# Altium PCB LimePSB-RPCM_1v3.PcbDoc (part 9 of 10)
Units mm, origin at the board's own origin, x right, y up, seen from the top; angles counter-clockwise.
Board outline 170 x 110 mm, 6 copper layers (Top, L2, L3, L4, L5, Bottom), stack 1.583 mm thick; 946 components, 565 nets, 4035 pads, 1752 vias.
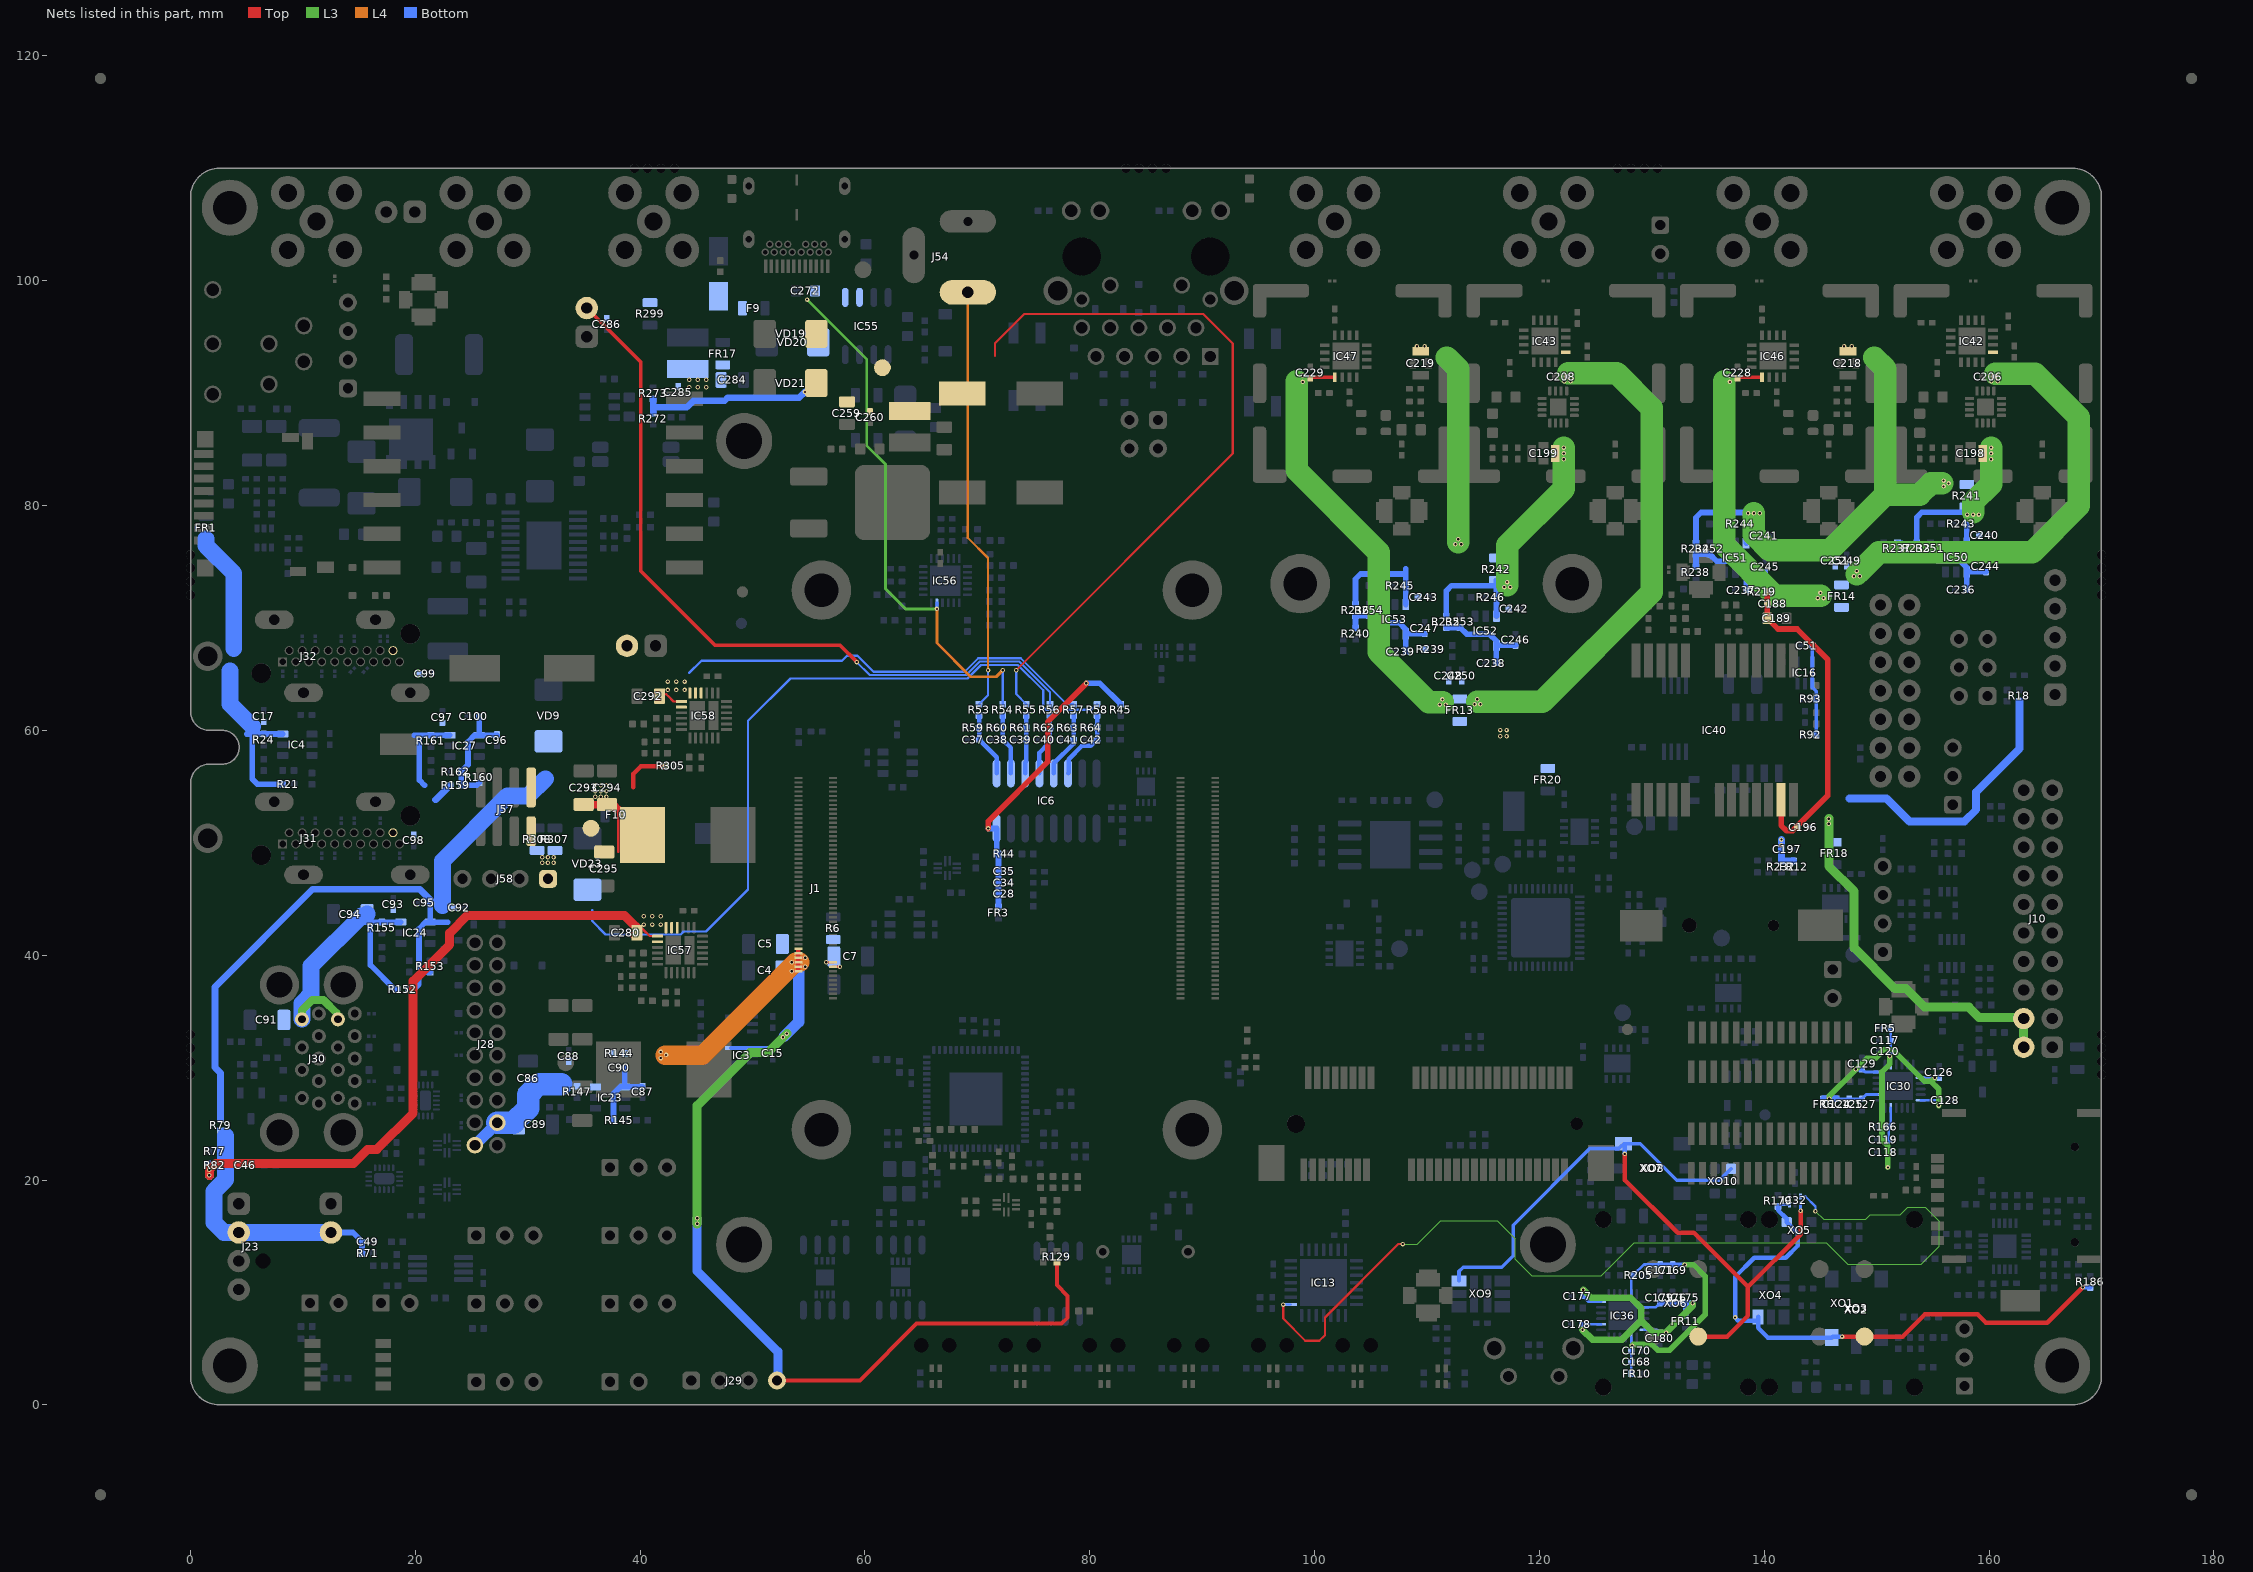
[diagram p13: the nets of this part, all layers, seen from the top]

## Via types
v1: diameter 0.4, hole 0.2, Top to Bottom, tented both sides, 1728 vias
v2: diameter 0.5, hole 0.2, Top to Bottom, tented both sides, 24 vias

## Nets (pads, with @x,y where several pads share a name; then routed paths per layer and width w, separated by ;. In a path a pad name is that pad's centre, name@x,y a point inside that pad or via, vN(x,y) a via of type N, cw(c..) or ccw(c..) an arc to the next point about the centre after c; other vN are vias at no path point) (continued)
VCC3P3_GNSS: C188.2 C189.2 C196.2 C197.1 FR12.2 IC40.23 R219.1 R232.2 | length 31.9
  Top w0.5: C189.2@140.275,69.975 R219.1@140.275,72.325 ; C189.2@140.525,69.725 141.225,69.025 142.925,69.025 145.65,66.3 145.65,54.2 142.525,51.075 141.975,51.075 141.5,51.55 IC40.23@141.5,53.825
  Bottom w0.6: v1(141.525,50.288) v1(141.525,49.775) C197.1@141.525,49.425 R232.2@141.525,48.375 FR12.2@142.625,48.375
VCC3P3_LMK10: C168.2 C169.2 C170.2 C171.2 FR10.2 IC36.8 IC36.23 R205.2 | length 23.7
  L3 w0.5: v1(128.239,5.274) 128.339,5.374 130.028,5.374 130.528,4.874 131.599,4.874 134.75,8.025 134.75,11.425 133.7,12.475 v1(132.925,12.475)
  Bottom w0.25: FR10.2@128.164,2.774 128.164,5.274 IC36.8@128.164,5.999 ; IC36.23@128.164,9.849 128.164,11.349 R205.2@128.339,11.524 129.29,12.475 C171.2@130.75,12.475
  Bottom w0.4: C171.2@130.75,12.475 C169.2@131.875,12.475 v1(132.925,12.475)
VCC3P3_LMK10_VDDO: C175.2 C176.2 C177.2 C178.2 C179.2 C180.2 FR11.2 IC36.2 IC36.6 IC36.14 IC36.18 | length 31.4
  L3 w0.6: v1(123.839,6.674) 124.714,5.8 127.35,5.8 129.05,7.5 ; v1(123.889,10.249) 124.613,9.525 128.125,9.525 129.05,8.6 129.05,7.5 ; v1(133.627,9.049) 133.627,8.787 v1(131.264,6.424) 130.126,6.424 129.05,7.5
  Bottom w0.25: C178.2@123.839,7.174 IC36.14@125.489,7.174 ; C177.2@123.889,9.674 124.389,9.174 IC36.18@125.489,9.174 ; IC36.6@129.339,6.674 130.443,6.674 130.518,6.599 C180.2@130.589,6.599 ; IC36.2@129.339,8.674 130.339,8.674 130.539,8.874 130.589,8.874 130.714,8.999 C179.2@130.714,9.049
  Bottom w0.4: v1(123.839,6.674) C178.2@123.839,7.174 ; C177.2@123.889,9.674 v1(123.889,10.249) ; C179.2@130.714,9.049 C176.2@131.839,9.049 C175.2@132.964,9.049 FR11.2@132.964,7.924 ; C180.2@130.789,6.424 v1(131.264,6.424)
  Bottom w0.6: C175.2@132.964,9.049 v1(133.627,9.049)
VCC3P3_LMKRF: C117.2 C118.2 C119.2 C120.2 FR5.2 IC30.8 IC30.23 R166.2 | length 19
  L3 w0.5: v1(151,21.125) 151,23.025 150.475,23.55 150.475,29.625 151.175,30.325 v1(151.175,31)
  Bottom w0.25: C118.2@151.075,22.45 C119.2@151.075,23.575 R166.2@151.075,24.75 151.25,24.925 IC30.23@151.25,26.425 ; IC30.8@151.25,30.275 151.25,31 C120.2@151.25,31.45 C117.2@151.25,32.45 FR5.2@151.25,33.5
  Bottom w0.4: v1(151,21.125) C118.2@151,22.45
VCC3P3_LMKRF_VDDO: C124.2 C125.2 C126.2 C127.2 C128.2 C129.2 FR6.2 IC30.2 IC30.6 IC30.14 IC30.18 | length 25.6
  L3 w0.5: v1(145.787,27.225) 145.787,27.487 v1(148.15,29.85) 149.124,30.824 149.874,30.824 150.65,31.6 151.425,31.6 154.25,28.775 154.849,28.775 ; v1(155.175,29.101) 154.849,28.775 ; v1(155.525,26.626) 155.525,28.099 154.849,28.775
  Bottom w0.25: C124.2@146.45,27.225 C125.2@147.575,27.225 C127.2@148.7,27.225 148.7,27.275 148.825,27.4 148.875,27.4 149.075,27.6 IC30.2@150.075,27.6 ; C129.2@148.825,29.675 148.896,29.675 148.971,29.6 IC30.6@150.075,29.6 ; IC30.18@153.925,27.1 C128.2@155.6,27.1 ; IC30.14@153.925,29.1 C126.2@155.575,29.1
  Bottom w0.4: v1(148.15,29.85) C129.2@148.625,29.85 ; v1(155.525,26.626) C128.2@155.525,27.1
  Bottom w0.6: FR6.2@145.275,27.225 145.862,27.225 C124.2@146.45,27.225
VCC3P3_RPI: C7.2 J1.84 J1.86 R6.1 | length 1.2
  Top w0.2: v1(56.555,39.375) J1.84@57.165,39.375 ; J1.86@57.165,38.975 v1(57.775,38.975)
VCC3P3_SD: C17.1 FR1.2 IC4.6 R21.1 R24.2 | length 26.3
  Bottom w0.5: 5.012,59.675 IC4.6@8.2,59.675 ; 5.485,59.373 5.485,55.673 5.945,55.213 R21.1@8.2,55.213
  Bottom w1.5: FR1.2@1.375,77.05 1.375,76.425 3.85,73.95 3.85,67.275 ; 3.5,65.275 3.5,62.35 5.5,60.35
VCC3P3A: C28.2 C34.2 C35.2 FR3.2 IC6.16 R44.2 R45.1 | length 28.2
  Top w0.5: v1(70.963,51.277) 70.963,51.913 76.25,57.2 76.25,60.75 v1(79.686,64.186)
  Bottom w0.5: v1(70.963,51.277) IC6.16@71.713,51.277 71.713,49.173 R44.2@71.876,49.01 C28.2@71.876,45.46 FR3.2@71.876,44.285 ; v1(79.686,64.186) 80.9,64.186 R45.1@82.751,62.335
VCC5P0: C4.2 C5.2 C15.1 C51.1 C87.1 C90.2 C92.1 C95.2 C96.1 C100.2 C293.2 C294.2 C295.2 FR13.1 FR14.1 FR18.1 FR20.1 IC3.1 IC3.5 IC16.1 IC16.5 IC23.1 IC24.1 IC27.1 J1.77 J1.79 J1.81 J1.83 J1.85 J1.87 J10.2 J10.4 J29.4 L11.2 R18.1 R79.1 R92.2 R93.2 R129.2 R144.2 R145.2 R152.2 R153.2 R159.2 R160.2 R162.1 R305.2 TP12.1 VD9.A | length 262.4
  Top w0.2: 38.05,49.175 38.05,52.95 ; v1(53.475,38.575) J1.87@54.085,38.575 ; v1(53.475,39.375) J1.83@54.085,39.375 ; J1.85@54.085,38.975 v1(54.695,38.975) ; J1.81@54.085,39.775 v1(54.695,39.775)
  Top w0.35: J29.4@52.173,1.938 52.398,2.163 59.538,2.163 64.6,7.225 77.5,7.225 78.025,7.75 78.025,9.7 77.075,10.65 R129.2@77.075,12.675
  Top w0.4: 39.4,54.95 39.4,56.15 40.073,56.823 42.209,56.823 R305.2@42.223,56.823 ; 54.085,38.675 J1.83@54.085,39.375 J1.81@54.085,39.775 54.085,40.45
  Top w0.7: C293.2@35.175,53.4 35.188,53.388 37.287,53.388 37.3,53.375 37.625,53.375 38.05,52.95 38.15,52.85 38.55,52.85 40.2,51.2 L11.2@40.2,50.7
  L3 w0.8: v1(45.075,16.1) v1(45.075,16.6) 45.075,26.625 49.775,31.325 51.35,31.325 v1(53.05,33.025) ; v1(145.75,52.15) v1(145.75,51.7) 145.75,47.925 148,45.675 148,40.65 151.625,37.025 152.625,37.025 154.275,35.375 158.2,35.375 159.125,34.45 162.99,34.45 J10.4@163.08,34.36 J10.2@163.08,31.82
  L4 w1.7: v1@42.2,31.1 45.55,31.1 53.825,39.375 54.2,39.375
  Bottom w0.3: C51.1@144.285,67.55 IC16.5@144.285,66.08 IC16.1@144.285,64.15 144.285,63.83 144.625,63.49 R93.2@144.625,62.8 R92.2@144.625,59.6
  Bottom w0.35: IC3.5@48.06,31.76 C15.1@51.8,31.76
  Bottom w0.5: R152.2@19.363,36.975 19.888,36.975 20.313,37.4 20.313,38.075 20.738,38.5 ; R153.2@21.313,38.5 20.738,38.5 ; IC24.1@21.313,42.95 C95.2@21.313,44.648 ; 22.898,42.948 21.313,42.948 20.913,42.948 20.913,42.939 20.323,42.349 20.323,38.915 20.738,38.5 ; R160.2@25.675,55.338 25.45,55.113 R159.2@24.075,55.113 R162.1@24.075,56.338 24.685,56.948 24.685,58.974 25.275,59.564 25.275,59.573 C96.1@27.26,59.573 ; IC27.1@25.675,59.575 C100.2@25.675,61.273 ; R145.2@37.625,25.329 37.625,27.676 38.225,28.276 38.225,28.285 C87.1@40.21,28.285 ; IC23.1@38.625,28.287 C90.2@38.625,29.985
  Bottom w0.6: R79.1@2.675,25.375 2.675,29.525 2.175,30.025 2.175,37.175 10.875,45.875 20.375,45.875 C95.2@21.375,44.875 ; C15.1@51.8,31.76 v1@52.8,32.76
  Bottom w0.7: 147.575,53.95 150.875,53.95 152.925,51.9 157.8,51.9 158.85,52.95 158.85,54.525 162.7,58.375 162.7,61.325 R18.1@162.7,62.6
  Bottom w0.8: v1(45.075,16.6) v1(45.075,16.1) 45.075,11.9 52.243,4.732 J29.4@52.243,2.232
  Bottom w1: v1@52.8,32.76 54.1,34.06 54.1,38.525
  Bottom w1.5: 22.4,44.4 22.4,48.375 28.175,54.15 30.025,54.15 31.575,55.7
  other v1: 41.825,30.85 42.3,31.125 41.825,31.4 52.7,32.7 36,54.1 36.5,54.1 37,54.1 36,54.6 36.5,54.6 37,54.6 36,55.1 36.5,55.1 37,55.1 116.525,59.475 117.075,59.475 116.525,60.025 117.075,60.025
VCC5P0_HDMI: C97.1 C98.1 C99.1 IC27.6 J31.18 J32.18 R159.1 R161.2 | length 9.4
  Bottom w0.5: 19.887,59.575 IC27.6@23.075,59.575 ; 20.36,59.273 20.36,55.573 20.82,55.113
  Bottom w0.6: 21.787,53.825 R159.1@23.075,55.113
VCC5P0_RFA: C208.1 C229.1 C238.1 C239.1 C246.2 C247.2 C248.2 C250.1 FR13.2 IC43.1 IC47.1 IC52.1 IC53.1 R235.2 R236.2 R239.1 R240.1 R253.1 R254.1 | length 99.9
  Top w0.325: C229.1@99.625,91.328 99.712,91.415 IC47.1@101.8,91.415
  L3 w2: 98.425,91.075 98.425,83.125 105.7,75.85 105.7,66.975 110.175,62.5 111.4,62.5 ; 114.475,62.55 120.25,62.55 129.975,72.275 129.975,88.7 126.9,91.775 122.55,91.775
  Bottom w0.5: R240.1@103.65,69.1 cw(c103.679,69.129) 103.638,69.129 R236.2@103.638,70.2 R254.1@104.863,70.2 105.473,69.59 107.499,69.59 108.089,69 108.098,69 C239.1@108.098,67.015 ; IC53.1@108.1,68.6 C247.2@109.798,68.6 ; R235.2@111.715,69.16 R253.1@112.94,69.16 113.55,68.55 115.576,68.55 116.166,67.96 116.175,67.96 C238.1@116.175,65.975 ; IC52.1@116.177,67.56 C246.2@117.875,67.56
  other v1: 111.125,62.3 111.65,62.3 114.225,62.325 114.75,62.325 111.375,62.75 114.475,62.775 98.95,91 122.215,91.05 122.765,91.05 98.95,91.55
VCC5P0_RFB: C206.1 C228.1 C236.1 C237.1 C244.2 C245.2 C249.2 C251.1 FR14.2 IC42.1 IC46.1 IC50.1 IC51.1 R233.2 R234.2 R237.1 R238.1 R251.1 R252.1 | length 86.9
  Top w0.325: C228.1@137.625,91.328 137.712,91.415 IC46.1@139.8,91.415
  L3 w2: 136.425,91.075 136.425,76.525 140.975,71.975 145.025,71.975 ; 148.25,73.9 148.375,74.025 150.2,75.85 163.85,75.85 167.975,79.975 167.975,87.875 164.1,91.75 160.55,91.75
  Bottom w0.5: R238.1@133.925,74.575 R234.2@133.925,75.673 R252.1@135.15,75.673 135.76,75.062 137.786,75.062 138.376,74.472 138.385,74.472 C237.1@138.385,72.488 ; IC51.1@138.387,74.072 C245.2@140.085,74.072 ; R237.1@151.85,76.7 151.9,76.65 152.225,76.65 153.125,75.75 153.513,75.75 R233.2@153.563,75.7 R251.1@154.788,75.7 155.398,75.09 157.424,75.09 158.014,74.5 158.023,74.5 C236.1@158.023,72.515 ; IC50.1@158.025,74.1 C244.2@159.723,74.1
  other v1: 144.75,71.775 145.275,71.775 145,72.225 147.975,73.725 148.5,73.725 148.225,74.175 136.95,91 160.215,91.05 160.765,91.05 136.95,91.55
VCC5P0_RXA_LNA: C219.1 C243.1 IC53.6 R236.1 R242.1 R245.2 | length 26.6
  L3 w2: 111.775,93.175 112.775,92.175 112.775,76.75
  Bottom w0.5: R236.1@103.638,71.2 103.638,73.455 104.098,73.915 107.798,73.915 ; IC53.6@108.1,71.2 108.1,74.388
  other v1: 112.525,76.55 113.05,76.55 112.775,77 109.1,94.175 109.78,94.175
VCC5P0_RXB_LNA: C218.1 C241.1 IC51.6 R234.1 R241.1 R244.2 | length 42.6
  L3 w2: v1(139.085,79.325) 139.085,77.415 140.475,76.025 145.825,76.025 150.775,80.975 ; 149.775,93.175 150.775,92.175 150.775,80.975 ; 155.825,81.975 154.825,81.975 153.825,80.975 150.775,80.975
  Bottom w0.5: R234.1@133.925,76.672 133.925,78.928 134.385,79.387 138.085,79.387 ; IC51.6@138.387,76.672 R244.2@138.387,78.36
  other v1: 138.56,79.325 139.61,79.325 155.95,81.7 156.4,81.975 155.95,82.225 147.1,94.175 147.78,94.175
VCC5P0_TXA_PA: C199.1 C242.1 IC52.6 R235.1 R242.2 R246.2 | length 24.1
  L3 w2: 117.15,72.925 117.15,76.475 122.175,81.5 v1(122.175,84.112) v1(122.175,84.637) v1(122.175,85.162)
  Bottom w0.5: R235.1@111.715,70.16 111.715,72.415 112.175,72.875 115.875,72.875 ; IC52.6@116.177,70.16 R242.2@116.177,73.348
  other v1: 116.875,72.75 117.4,72.75 117.125,73.2
VCC5P0_TXB_PA: C198.1 C240.1 IC50.6 R233.1 R241.2 R243.2 | length 16.2
  L3 w2: 158.575,79.425 158.575,80.3 160.175,81.9 v1(160.175,84.112) v1(160.175,84.637) v1(160.175,85.162)
  Bottom w0.5: R233.1@153.563,76.7 153.563,78.955 154.023,79.415 157.723,79.415 ; IC50.6@158.025,76.7 R243.2@158.025,78.388 R241.2@158.025,79.888
  other v1: 158.05,79.2 158.575,79.2 159.1,79.2
VCC5P0_USB3H: C86.2 C88.1 C89.2 IC23.6 J28.18 J28.19 R144.1 R147.2 | length 10.6
  Bottom w1: J28.19@25.3,23.1 J28.18@27.3,25.1
  Bottom w2: J28.18@27.3,25.1 28.75,25.1 30.025,26.375 C86.2@30.025,27.575 30.975,28.525 32.975,28.525
VCC5P0_USBS: C91.2 C93.1 C94.2 IC24.6 J30.1 J30.10 R152.1 R155.2 | length 27.3
  L3 w0.7: J30.1@9.91,34.3 9.91,35.11 10.825,36.025 11.824,36.025 13.005,34.844 13.005,34.405 J30.10@13.11,34.3
  Bottom w0.5: C94.2@15.525,42.95 IC24.6@18.713,42.95 ; 15.998,42.648 15.998,39.115 18.138,36.975 R152.1@18.363,36.975
  Bottom w1.5: J30.1@9.91,34.3 9.91,35.693 10.51,36.293 10.51,36.325 10.725,36.54 10.725,39.025 15.208,43.508 15.558,43.508 C94.2@15.708,43.658
VCC12P0_POE: C259.2 C260.1 C262.1 L8.2 R55.1 R272.1 R273.1 TP9.1 VD21.A | length 80.2
  Top w0.2: 71.575,93.325 71.575,94.45 74.175,97.05 90.1,97.05 92.725,94.425 92.725,84.625 v1(73.45,65.35)
  Bottom w0.2: v1(73.45,65.35) 73.45,63.236 R55.1@74.351,62.335
  Bottom w0.6: R272.1@41.155,88.247 41.155,88.747 ; R273.1@41.155,89.47 41.155,88.747 ; v1(54.663,90.113) 54.15,89.6 47.8,89.6 47.525,89.325 44.73,89.325 44.153,88.747 41.155,88.747
VCC12P0_POE_DIV: C39.1 IC6.3 R55.2 R61.2 | length 5.2
  Bottom w0.4: IC6.3@74.253,56.177 74.253,57.158 74.351,57.256 C39.1@74.351,59.185 R61.2@74.351,60.235 R55.2@74.351,61.335
VCC_BARREL: J54.1 R53.1 VD19.A | length 37.7
  L4 w0.2: J54.1@69.15,98.975 69.15,77.141 70.95,75.341 v1(70.95,65.35)
  Bottom w0.2: R53.1@70.151,62.335 70.95,63.134 v1(70.95,65.35)
VCC_BARREL_DIV: C37.1 IC6.1 R53.2 R59.2 | length 5.8
  Bottom w0.4: R53.2@70.151,61.335 R59.2@70.151,60.235 C37.1@70.151,59.185 70.201,59.185 70.251,59.135 70.251,59.085 71.713,57.623 IC6.1@71.713,56.177
VCC_EXT: C286.1 F9.1 J56.2 R56.1 R299.2 VD22.K | length 68.3
  Top w0.35: J56.2@35.25,97.571 40.05,92.771 40.05,74.2 46.675,67.575 57.775,67.575 v1(59.275,66.075)
  Bottom w0.2: v1(59.275,66.075) 60.425,64.925 69.001,64.925 70.201,66.125 73.725,66.125 76.451,63.399 R56.1@76.451,62.335
VCC_EXT_DIV: C40.1 IC6.4 R56.2 R62.2 | length 5.6
  Bottom w0.4: IC6.4@75.523,56.177 75.523,58.023 76.351,58.851 76.351,59.135 76.401,59.185 C40.1@76.451,59.185 R62.2@76.451,60.235 R56.2@76.451,61.335
VCC_FAN: C46.1 C49.1 J23.2 J24.2 R71.1 R77.2 R79.2 R82.2 | length 27.3
  Bottom w0.5: 2.675,23.825 R77.2@2.675,22.578 R82.2@2.675,21.325 3.125,21.325 C46.1@4.375,21.325 ; J24.2@12.491,15.338 14.437,15.338 15.2,14.575 15.2,14.525 C49.1@15.25,14.525 R71.1@15.25,13.475
  Bottom w1.5: 3.125,23.925 3.125,22.578 3.125,21.325 3.125,20.025 2.1,19 2.1,16.225 2.987,15.338 J23.2@4.287,15.338 J24.2@12.491,15.338
VCC_INT: C280.2 C284.2 C285.1 C292.2 F10.1 FR17.2 IC57.16 IC57.17 IC57.18 IC57.19 IC57.20 IC58.16 IC58.17 IC58.18 IC58.19 IC58.20 J55.2 L9.2 R57.1 R82.1 | length 99.9
  Top w0.2: C280.2@40.2,42.35 40.387,42.163 40.85,41.7 IC57.19@41.55,41.7 ; 42.325,63.225 42.513,63.038 42.975,62.575 IC58.19@43.675,62.575
  Top w0.25: C280.2@39.236,41.656 39.236,41.99 39.236,42.086 C280.2@39.6,42.45 ; C292.2@41.361,62.531 41.361,62.961 C292.2@41.725,63.325
  Top w0.8: v1(1.675,20.425) v1(1.675,20.9) 2.25,21.475 14.5,21.475 15.744,22.719 16.569,22.719 19.8,25.95 19.8,37.7 23.05,40.95 23.05,41.975 24.625,43.55 38.6,43.55 39.612,42.538 39.612,42.09 C280.2@39.712,41.99
  Bottom w0.2: 44.35,65.1 45.45,66.2 57.95,66.2 58.4,66.65 59.325,66.65 60.75,65.225 68.876,65.225 70.076,66.425 73.86,66.425 77.95,62.335 R57.1@78.551,62.335
  Bottom w0.8: v1(1.675,20.425) v1(1.675,20.9) R82.1@1.675,21.325
  other v1: 40.329,42.724 41.079,42.724 41.829,42.724 40.329,43.474 41.079,43.474 41.829,43.474 42.454,63.599 43.205,63.599 43.955,63.599 42.455,64.349 43.205,64.349 43.955,64.349 44.375,90.525 45.125,90.525 45.875,90.525 44.375,91.2 45.125,91.2 45.875,91.2
VCC_INT_DIV: C41.1 IC6.5 R57.2 R63.2 | length 5.9
  Bottom w0.4: IC6.5@76.793,56.177 76.793,57.068 78.551,58.826 R57.2@78.551,61.335
VCC_SCAP: J57.1 J58.1 R58.1 R307.2 R308.2 VD23.A | length 67.8
  Bottom w0.2: 35.739,44.03 35.739,43.036 36.925,41.85 43.6,41.85 43.85,42.1 45.85,42.1 49.6,45.85 49.6,60.85 53.375,64.625 69.125,64.625 70.325,65.825 73.601,65.825 75.85,63.576 75.85,62.088 76.103,61.835 80.151,61.835 R58.1@80.651,62.335
  other v1: 31.3,48.225 31.8,48.225 32.3,48.225 31.3,48.725 31.8,48.725 32.3,48.725
VCC_SCAP_DIV: C42.1 IC6.6 R58.2 R64.2 | length 6.7
  Bottom w0.4: IC6.6@78.063,56.177 78.12,56.235 78.12,57.445 79.3,58.625 80.091,58.625 80.551,59.085 80.551,59.135 80.601,59.185 C42.1@80.651,59.185 R58.2@80.651,61.335
VCC_USB_PD: C272.2 IC55.5 IC55.6 IC56.11 R54.1 VD20.A | length 47.9
  L3 w0.25: v1(54.85,98.325) 60.15,93.025 60.15,85.35 61.825,83.675 61.825,72.6 63.621,70.804 v1(66.4,70.804)
  L4 w0.25: v1(66.4,70.804) 66.4,67.775 69.4,64.775 71.675,64.775 v1(72.251,65.351)
  Bottom w0.25: v1(66.4,70.804) IC56.11@66.4,71.359 ; R54.1@72.251,62.335 v1(72.251,65.351)
VCC_USB_PD_DIV: C38.1 IC6.2 R54.2 R60.2 | length 5.5
  Bottom w0.4: R54.2@72.251,61.335 R60.2@72.251,60.235 C38.1@72.251,59.185 72.301,59.185 72.351,59.135 72.351,59.085 72.983,58.453 IC6.2@72.983,56.177
XO10_VC: IC32.1 XO6.1 XO7.1 XO8.1 XO9.1 XO10.1 | length 68
  Top w0.4: v1@127.6,22.275 127.6,20 132.3,15.3 133.75,15.3 138.55,10.5 ; XO6.1@134.125,6.075 136.7,6.075 138.55,7.925 138.55,10.5 ; v1(143.236,17.261) 143.236,15.186 138.55,10.5
  Bottom w0.25: v1(143.236,17.261) IC32.1@143.236,17.822
  Bottom w0.325: XO9.1@112.85,11.025 112.85,11.887 113.213,12.25 116.638,12.25 117.663,13.275 117.663,15.975 124.488,22.8 127.054,22.8 127.275,23.021 XO7.1@127.49,23.236 128.964,23.236 132.225,19.975 136.025,19.975 XO10.1@137.05,21
  Bottom w0.4: v1(127.6,22.325) XO7.1@127.6,23.021
XO_VC: IC32.3 R179.1 R186.2 XO1.1 XO2.1 XO3.1 XO4.1 XO5.1 | length 51.2
  Top w0.4: v1(146.925,6.075) XO1.1@148.925,6.075 152.325,6.075 154.3,8.05 158.975,8.05 159.725,7.3 165.175,7.3 v1(168.325,10.45)
  Bottom w0.25: R179.1@141.225,17.65 141.397,17.822 IC32.3@142.236,17.822
  Bottom w0.4: XO4.1@139.45,7.475 137.7,7.475 v1(137.4,7.775) 137.4,11.375 139.125,13.1 141.925,13.1 143,14.175 143,15.25 XO5.1@142,16.25 142,16.55 141.225,17.325 R179.1@141.225,17.65 ; XO4.1@139.45,7.825 139.45,6.85 140.31,5.99 XO2.1@145.989,5.99 146.074,6.075 v1(146.925,6.075) ; v1(168.325,10.45) R186.2@168.999,10.45
XO_VC_SEL: IC13.1 IC32.6 | length 88.8
  Top w0.2: v1(97.2,8.925) 97.2,7.675 99.175,5.7 100.424,5.7 100.925,6.201 100.925,7.775 107.45,14.3 v1(107.85,14.3)
  L3 w0.1: v1(107.85,14.3) 109.15,14.3 111.225,16.375 116.258,16.375 117.85,14.783 117.85,12.958 119.333,11.475 125.5,11.475 128.425,14.4 145.525,14.4 147.425,12.5 153.975,12.5 155.575,14.1 155.575,16.325 154.325,17.575 152.775,17.575 152.1,16.9 149.425,16.9 149.025,16.5 145.275,16.5 v1(144.55,17.225)
  Bottom w0.2: v1(97.2,8.925) IC13.1@97.875,8.925 ; IC32.6@143.236,18.548 143.652,18.548 144.55,17.65 v1(144.55,17.225)
pads on no net: BATT1.MECH C1.0 C2.0 C3.0 C4.0 C5.0 C6.0 C7.0 C8.0 C9.0 C10.0 C11.0 C12.0 C13.0 C14.0 C15.0 C16.0 C17.0 C18.0 C19.0 C20.0 C21.0 C22.0 C23.0 C24.0 C25.0 C26.0 C27.0 C28.0 C29.0 C30.0 C31.0 C32.0 C33.0 C34.0 C35.0 C36.0 C37.0 C38.0 C39.0 C40.0 C41.0 C42.0 C43.0 C44.0 C45.0 C46.0 C47.0 C48.0 C49.0 C50.0 C51.0 C52.0 C53.0 C54.0 C55.0 C56.0 C57.0 C58.0 C59.0 C60.0 C61.0 C62.0 C63.0 C64.0 C65.0 C66.0 C67.0 C68.0 C69.0 C70.0 C71.0 C72.0 C73.0 C74.0 C75.0 C76.0 C77.0 C78.0 C79.0 C80.0 C81.0 C82.0 C83.0 C84.0 C85.0 C86.0 C87.0 C88.0 C89.0 C90.0 C91.0 C92.0 C93.0 C94.0 C95.0 C96.0 C97.0 C98.0 C99.0 C100.0 C101.0 C102.0 C103.0 C104.0 C105.0 C106.0 C107.0 C108.0 C109.0 C110.0 C111.0 C112.0 C113.0 C114.0 C115.0 C116.0 C117.0 C118.0 C119.0 C120.0 C121.0 C122.0 C123.0 C124.0 C125.0 C126.0 C127.0 C128.0 C129.0 C130.0 C131.0 C132.0 C133.0 C134.0 C135.0 C136.0 C137.0 C138.0 C139.0 C140.0 C141.0 C142.0 C143.0 C144.0 C145.0 C146.0 C147.0 C148.0 C149.0 C150.0 C151.0 C152.0 C153.0 C154.0 C155.0 C156.0 C157.0 C158.0 C159.0 C160.0 C161.0 C162.0 C163.0 C164.0 C165.0 C166.0 C167.0 C168.0 C169.0 C170.0 C171.0 C172.0 C173.0 C174.0 C175.0 C176.0 C177.0 C178.0 C179.0 C180.0 C181.0 C182.0 C183.0 C184.0 C185.0 C186.0 C187.0 C188.0 C189.0 C190.0 C191.0 C192.0 C193.0 C194.0 C195.0 C196.0 C197.0 C200.0 C201.0 C202.0 C203.0 C204.0 C205.0 C206.0 C207.0 C208.0 C209.0 C210.0 C211.0 C212.0 C213.0 C214.0 C215.0 C216.0 C217.0 C220.0 C221.0 C222.0 C223.0 C224.0 C225.0 C226.0 C227.0 C228.0 C229.0 C230.0 C231.0 C232.0 C233.0 C234.0 C235.0 C236.0 C237.0 C238.0 C239.0 C240.0 C241.0 C242.0 C243.0 C244.0 C245.0 C246.0 C247.0 C248.0 C249.0 C250.0 C251.0 C252.0 C254.0 C255.0 C256.0 C257.0 C258.0 C259.0 C260.0 C263.0 C264.0 C265.0 C266.0 C267.0 C268.0 C269.0 C270.0 C271.0 C272.0 C273.0 C274.0 C275.0 C276.0 C277.0 C278.0 C279.0 C280.0 C281.0 C282.0 C283.0 C284.0 C285.0 C286.0 C287.0 C288.0 C289.0 C290.0 C291.0 C292.0 C293.0 C294.0 C295.0 C296.0 C297.0 C298.0 C299.0 C300.0 C301.0 C302.0 C303.0 C304.0 C305.0 C306.0 C307.0 C308.0 C309.0 C310.0 C311.0 C312.0 D1.0 D2.0 D3.0 D4.0 D5.0 D6.0 D7.0 D8.0 D9.0 D9.2 D10.0 F1.1 F2.1 F3.1 F4.1 F5.1 F6.1 F7.1 F8.1 F9.0 F10.0 FL1.1 FL2.1 FL3.1 FL4.1 FR1.0 FR2.0 FR3.0 FR4.0 FR5.0 FR6.0 FR7.0 FR8.0 FR9.0 FR10.0 FR11.0 FR12.0 FR13.0 FR14.0 FR15.0 FR16.0 FR17.0 FR18.0 FR19.0 FR20.0 FR21.0 IC4.0 IC5.0 IC7.9 IC10.8 IC11.1 IC11.2 IC11.3 IC11.7 IC12.1 IC12.2 IC12.3 IC12.7 IC12.PAD IC13.7 IC13.10 IC13.15 IC13.16 IC14.7 IC15.7 IC19.14 IC19.15 IC19.16 IC19.17 IC19.18 IC19.23 IC19.26 IC19.28 IC19.29 IC19.31 IC19.32 IC19.33 IC19.34 IC19.36 IC19.37 IC19.38 IC19.39 IC19.47 IC19.48 IC19.49 IC19.50 IC19.51 IC19.55 IC19.56 IC23.0 IC24.0 IC27.0 IC28.10 IC28.11 IC28.15 IC28.16 IC29.10 IC29.11 IC29.15 IC29.16 IC30.4 IC30.9 IC30.10 IC31.0 IC31.4 IC36.4 IC36.5 IC36.9 IC36.10 IC37.0 IC37.4 IC38.0 IC39.6 IC40.14 IC40.15 IC40.16 IC40.17 IC41.0 IC42.PAD IC43.PAD IC46.PAD IC47.PAD IC50.0 IC51.0 IC52.0 IC53.0 IC56.4 IC56.8 IC56.16 IC56.17 IC56.20 IC56.21 IC57.21 IC58.21 IC59.2 IC59.6 IC59.7 IC60.2 IC60.6 IC60.7 IC61.2 IC61.6 IC61.7 IC62.0 IC63.2 IC63.6 IC63.7 IC64.2 IC64.6 IC64.7 J1.19 J1.64 J1.68 J1.70 J1.72 J1.73 J2.4 J2.33 J2.35 J2.39 J2.41 J2.93 J2.94 J2.95 J2.96 J3. J3.20 J3.45 J3.47 J3.49 J3.51 J3.MH1 J3.MH2 J4. J4.CD J7.9 J7.10 J7.11 J7.14 J9. J14.6 J14.7 J23.0 J26.A2 J26.A3 J26.A8 J26.A10 J26.A11 J26.B2 J26.B3 J26.B8 J26.B10 J26.B11 J28.1 J28.8 J28.10 J28.14 J28.16 J28.20 J30.5 J30.6 J30.8 J30.9 J31. J31.14 J32. J32.14 L1.0 L2.0 L3.0 L4.0 L5.0 L6.0 L7.0 LED1.0 LED2.0 LED3.0 LED4.0 LED5.0 LED6.0 LED6.2 LED6.4 LED7.0 LED8.0 LED9.0 MECH13.0 MECH14.0 MECH15.0 MECH16.0 MECH17.0 MECH18.0 R1.0 R2.0 R3.0 R4.0 R5.0 R6.0 R7.0 R8.0 R9.0 R10.0 R11.0 R12.0 R13.0 R14.0 R15.0 R16.0 R17.0 R18.0 R19.0 R20.0 R21.0 R22.0 R23.0 R24.0 R25.0 R26.0 R27.0 R28.0 R29.0 R30.0 R31.0 R32.0 R33.0 R34.0 R35.0 R36.0 R37.0 R38.0 R39.0 R40.0 R41.0 R42.0 R43.0 R44.0 R45.0 R46.0 R47.0 R48.0 R49.0 R50.0 R51.0 R52.0 R53.0 R54.0 R55.0 R56.0 R57.0 R58.0 R59.0 R60.0 R61.0 R62.0 R63.0 R64.0 R65.0 R66.0 R67.0 R68.0 R69.0 R70.0 R71.0 R72.0 R73.0 R74.0 R75.0 R76.0 R77.0 R78.0 R79.0 R80.0 R81.0 R82.0 R83.0 R84.0 R85.0 R86.0 R87.0 R88.0 R89.0 R90.0 R91.0 R92.0 R93.0 R94.0 R95.0 R96.0 R97.0 R98.0 R99.0 R100.0 R101.0 R102.0 R103.0 R104.0 R105.0 R106.0 R107.0 R108.0 R109.0 R110.0 R111.0 R112.0 R113.0 R114.0 R115.0 R116.0 R117.0 R118.0 R119.0 R120.0 R121.0 R122.0 R123.0 R124.0 R125.0 R126.0 R127.0 R128.0 R129.0 R130.0 R131.0 R132.0 R133.0 R134.0 R135.0 R136.0 R137.0 R138.0 R139.0 R140.0 R141.0 R142.0 R143.0 R144.0 R145.0 R146.0 R147.0 R148.0 R149.0 R150.0 R151.0 R152.0 R153.0 R154.0 R155.0 R156.0 R157.0 R158.0 R159.0 R160.0 R161.0 R162.0 R163.0 R164.0 R165.0 R166.0 R167.0 R168.0 R169.0 R170.0 R171.0 R172.0 R173.0 R174.0 R175.0 R176.0 R177.0 R178.0 R179.0 R180.0 R181.0 R182.0 R183.0 R184.0 R185.0 R186.0 R187.0 R188.0 R189.0 R190.0 R191.0 R192.0 R193.0 R194.0 R195.0 R196.0 R197.0 R198.0 R199.0 R200.0 R201.0 R202.0 R203.0 R204.0 R205.0 R206.0 R207.0 R208.0 R209.0 R210.0 R211.0 R212.0 R213.0 R214.0 R215.0 R216.0 R217.0 R218.0 R219.0 R220.0 R221.0 R222.0 R223.0 R224.0 R225.0 R226.0 R227.0 R228.0 R229.0 R230.0 R231.0 R232.0 R233.0 R234.0 R235.0 R236.0 R237.0 R238.0 R239.0 R240.0 R241.0 R242.0 R243.0 R244.0 R245.0 R246.0 R247.0 R248.0 R249.0 R250.0 R251.0 R252.0 R253.0 R254.0 R255.0 R256.0 R257.0 R258.0 R259.0 R260.0 R261.0 R262.0 R263.0 R264.0 R265.0 R266.0 R267.0 R268.0 R270.0 R271.0 R272.0 R273.0 R274.0 R275.0 R276.0 R278.0 R279.0 R280.0 R281.0 R282.0 R283.0 R284.0 R285.0 R286.0 R287.0 R288.0 R289.0 R290.0 R291.0 R292.0 R293.0 R294.0 R295.0 R296.0 R297.0 R298.0 R299.0 R300.0 R301.0 R302.0 R303.0 R304.0 R305.0 R306.0 R307.0 R308.0 R309.0 R310.0 R311.0 R312.0 R313.0 R314.0 R315.0 R316.0 R317.0 R318.0 R319.0 R320.0 R321.0 R322.0 R323.0 R324.0 R325.0 R326.0 VD1.0 VD2.0 VD3.0 VD4.0 VD5.0 VD6.0 VD7.0 VD8.0 VD9.0 VD10.0 VD11.0 VD12.0 VD13.0 VD14.0 VD15.0 VD16.0 VD17.0 VD19.0 VD20.0 VD21.0 VD23.0 VT1.0 VT2.0 VT4.0 XO1.0 XO2.3 XO4.2 XO4.3 XO4.5 XO4.8 XO4.10 XO6.0 XO7.3 XO9.2 XO9.3 XO9.5 XO9.8 XO9.10 XT2.0
copper on no net:
  other v1: 55.925,11.325 56.925,11.325 98.725,71.05 122.925,71.05 97.311,71.636 100.139,71.636 121.511,71.636 124.339,71.636 96.725,73.05 100.725,73.05 120.925,73.05 124.925,73.05 97.311,74.464 100.139,74.464 121.511,74.464 124.339,74.464 98.725,75.05 122.925,75.05 118.925,91.05 101.775,92.3 102.765,92.29 103.775,92.3 139.775,92.3 140.765,92.29 141.775,92.3 102.775,93.29 103.775,93.28 140.775,93.29 141.775,93.28 101.775,93.3 139.775,93.3 101.775,94.28 103.775,94.28 139.775,94.28 141.775,94.28 102.785,94.29 140.785,94.29 120.475,94.625 158.475,94.625

## Polygon pours and split planes (outlines as drawn)
GND on L5 "GND_L05_P009" (solid, remove dead copper, pour order 9): -0.075,28.25 cw(c0,28.25) -0.075,28.251 -0.075,34.075 cw(c0,34.075) -0.075,34.076 -0.075,70.925 -0.075,76.75 cw(c0,76.75) -0.075,76.751 -0.075,107.46 cw(c2.54,107.46) 2.54,110.075 167.46,110.075 cw(c167.46,107.46) 170.075,107.46 170.075,76.75 cw(c170,76.75) 170.075,76.749 170.075,70.925 cw(c170,70.925) 170.075,70.925 ccw(c170,70.925) 170.075,70.926 170.075,70.925 170.075,34.076 170.075,34.075 ccw(c170,34.075) 170.075,34.076 170.075,34.075 170.075,28.25 cw(c170,28.25) 170.075,28.249 170.075,28.25 ccw(c170,28.25) 170.075,28.25 170.075,2.54 cw(c167.46,2.54) 167.46,-0.075 2.54,-0.075 cw(c2.54,2.54) -0.075,2.54
GNDE2 on L5 "GNDE2_L05_P000" (solid, remove dead copper, pour order 0): 10.625,88.825 10.625,80.4 22.175,68.85 36.125,68.85 38.25,70.975 38.25,84.55 27,95.8 17.45,95.8 16.25,94.6 16.25,90.25 15.15,89.15 10.95,89.15
GND on L4 "GND_L04_P008" (solid, remove dead copper, pour order 8): -0.075,28.25 cw(c0,28.25) -0.075,28.251 -0.075,34.075 cw(c0,34.075) -0.075,34.076 -0.075,70.925 -0.075,76.75 cw(c0,76.75) -0.075,76.751 -0.075,107.46 cw(c2.54,107.46) 2.54,110.075 167.46,110.075 cw(c167.46,107.46) 170.075,107.46 170.075,76.75 cw(c170,76.75) 170.075,76.749 170.075,70.925 cw(c170,70.925) 170.075,70.925 ccw(c170,70.925) 170.075,70.926 170.075,70.925 170.075,34.076 170.075,34.075 ccw(c170,34.075) 170.075,34.076 170.075,34.075 170.075,28.25 cw(c170,28.25) 170.075,28.249 170.075,28.25 ccw(c170,28.25) 170.075,28.25 170.075,2.54 cw(c167.46,2.54) 167.46,-0.075 2.54,-0.075 cw(c2.54,2.54) -0.075,2.54
VCC5P0 on L4 "VCC5P0_L04_P006" (solid, remove dead copper, pour order 6): 35.675,55.425 37.85,57.6 47.1,57.6 54.55,65.05 105.85,65.05 109.125,61.775 115.75,61.775 117.325,60.2 117.325,58.225 115.075,55.975 65.35,55.975 63.225,58.1 57.6,58.1 50.875,51.375 38,51.375 35.675,53.7
VCC_INT on L4 "VCC_INT_L04_P002" (solid, remove dead copper, pour order 2): 45.75,62.75 49.05,66.05 49.05,80.45 45.575,83.925 45.575,85.975 46.3,86.7 46.3,91.45 45,92.75 39.5,92.75 37.625,90.875 37.625,81.15 42.5,76.275 42.5,66.75 41.75,66 41.75,63.25 42.25,62.75
GND on L3 "GND_L03_P010" (solid, remove dead copper, pour order 10): -0.075,28.25 cw(c0,28.25) -0.075,28.251 -0.075,34.075 cw(c0,34.075) -0.075,34.076 -0.075,70.925 -0.075,76.75 cw(c0,76.75) -0.075,76.751 -0.075,107.46 cw(c2.54,107.46) 2.54,110.075 167.46,110.075 cw(c167.46,107.46) 170.075,107.46 170.075,76.75 cw(c170,76.75) 170.075,76.749 170.075,70.925 cw(c170,70.925) 170.075,70.925 ccw(c170,70.925) 170.075,70.926 170.075,70.925 170.075,34.076 170.075,34.075 ccw(c170,34.075) 170.075,34.076 170.075,34.075 170.075,28.25 cw(c170,28.25) 170.075,28.249 170.075,28.25 ccw(c170,28.25) 170.075,28.25 170.075,2.54 cw(c167.46,2.54) 167.46,-0.075 2.54,-0.075 cw(c2.54,2.54) -0.075,2.54
VCC3P3 on L3 "VCC3P3_L03_P004" (solid, remove dead copper, pour order 4): 114.175,9.55 111.275,6.65 85.975,6.65 83.075,9.55 86.05,12.525 111.2,12.525
GND on L2 "GND_L02_P011" (solid, remove dead copper, pour order 11): -0.075,28.25 cw(c0,28.25) -0.075,28.251 -0.075,34.075 cw(c0,34.075) -0.075,34.076 -0.075,70.925 -0.075,76.75 cw(c0,76.75) -0.075,76.751 -0.075,107.46 cw(c2.54,107.46) 2.54,110.075 167.46,110.075 cw(c167.46,107.46) 170.075,107.46 170.075,76.75 cw(c170,76.75) 170.075,76.749 170.075,70.925 cw(c170,70.925) 170.075,70.925 ccw(c170,70.925) 170.075,70.926 170.075,70.925 170.075,34.076 170.075,34.075 ccw(c170,34.075) 170.075,34.076 170.075,34.075 170.075,28.25 cw(c170,28.25) 170.075,28.249 170.075,28.25 ccw(c170,28.25) 170.075,28.25 170.075,2.54 cw(c167.46,2.54) 167.46,-0.075 2.54,-0.075 cw(c2.54,2.54) -0.075,2.54
GND on Top "GND_L01_P012" (solid, remove dead copper, pour order 12): -0.075,28.25 cw(c0,28.25) -0.075,28.251 -0.075,34.075 cw(c0,34.075) -0.075,34.076 -0.075,70.925 -0.075,76.75 cw(c0,76.75) -0.075,76.751 -0.075,107.46 cw(c2.54,107.46) 2.54,110.075 167.46,110.075 cw(c167.46,107.46) 170.075,107.46 170.075,76.75 cw(c170,76.75) 170.075,76.749 170.075,70.925 cw(c170,70.925) 170.075,70.925 ccw(c170,70.925) 170.075,70.926 170.075,70.925 170.075,34.076 170.075,34.075 ccw(c170,34.075) 170.075,34.076 170.075,34.075 170.075,28.25 cw(c170,28.25) 170.075,28.249 170.075,28.25 ccw(c170,28.25) 170.075,28.25 170.075,2.54 cw(c167.46,2.54) 167.46,-0.075 2.54,-0.075 cw(c2.54,2.54) -0.075,2.54
GND on Bottom "GND_L06_P007" (solid, remove dead copper, pour order 7): -0.075,28.25 cw(c0,28.25) -0.075,28.251 -0.075,34.075 cw(c0,34.075) -0.075,34.076 -0.075,70.925 -0.075,76.75 cw(c0,76.75) -0.075,76.751 -0.075,107.46 cw(c2.54,107.46) 2.54,110.075 167.46,110.075 cw(c167.46,107.46) 170.075,107.46 170.075,76.75 cw(c170,76.75) 170.075,76.749 170.075,70.925 cw(c170,70.925) 170.075,70.925 ccw(c170,70.925) 170.075,70.926 170.075,70.925 170.075,34.076 170.075,34.075 ccw(c170,34.075) 170.075,34.076 170.075,34.075 170.075,28.25 cw(c170,28.25) 170.075,28.249 170.075,28.25 ccw(c170,28.25) 170.075,28.25 170.075,2.54 cw(c167.46,2.54) 167.46,-0.075 2.54,-0.075 cw(c2.54,2.54) -0.075,2.54

## Other copper
Top:
  pour cut-out: 119.275,94.125 119.275,93.225 118.6,93.225 ccw(c118.6,93) 118.375,93 118.375,91.75 ccw(c119.9,91.75) 119.9,90.225 121.175,90.225 121.175,87.75 119.065,87.75 cw(c119.065,90.29) 116.525,90.29 116.525,93.025 cw(c117.625,93.025) 117.625,94.125
  pour cut-out: 122.125,90.225 124.273,90.225 cw(c124.273,87.685) 126.069,89.481 127.081,88.469 cw(c125.285,86.673) 127.825,86.673 127.825,79.925 125.65,79.925 125.65,85.95 ccw(c123.9,85.95) 123.9,87.7 122.125,87.7
  pour cut-out: 119.75,105.3 119.75,99.15 ccw(c121.575,99.15) 121.575,97.325 122,97.325 cw(c122,96.525) 122.8,96.525 122.8,95.475 cw(c122.75,95.475) 122.75,95.425 121.675,95.425 121.675,94.475 123.3,94.475 ccw(c123.3,95.975) 124.8,95.975 124.8,97.025 ccw(c122.775,97.025) 122.775,99.05 cw(c122.775,99.975) 121.85,99.975 121.85,105.3
  pour cut-out: 10.125,104.4 10.125,101.415 ccw(c12.665,101.415) 12.665,98.875 14,98.875 cw(c14,97.668) 14.854,98.521 15.281,98.094 ccw(c17.077,99.89) 17.077,97.35 20.225,97.35 20.225,99.325 18.975,99.325 cw(c18.975,99.6) 18.7,99.6 18.7,106.45 ccw(c17.675,106.45) 17.675,107.475 17.1,107.475 ccw(c17.1,106.45) 16.075,106.45 16.075,103.475 cw(c13.825,103.475) 13.825,101.225 cw(c13.825,102.8) 12.25,102.8 12.25,104.4
  pour cut-out: 140.625,92.075 141.575,92.075 141.575,90.975 142.3,90.975 142.3,89.475 ccw(c142.975,89.475) 142.975,88.8 cw(c142.975,88.575) 143.2,88.575 143.2,87.575 cw(c142.825,87.575) 142.825,87.2 142.025,87.2 cw(c142.025,89.025) 140.2,89.025 140.2,90.107 cw(c140.968,90.107) 140.425,90.65 140.448,90.673 ccw(c140.021,91.1) 140.625,91.1
  pour cut-out: 141.275,94.5 141.275,95.875 cw(c142.775,95.875) 142.775,97.375 155.076,97.375 cw(c155.076,96.351) 155.8,97.075 ccw(c156.524,97.799) 156.524,96.775 157.275,96.775 157.275,95.125 156.175,95.125 156.175,95.05 cw(c155.95,95.05) 155.95,94.825 155.562,94.825 cw(c155.562,95.337) 155.2,94.975 ccw(c154.717,94.492) 154.717,95.175 142.675,95.175 ccw(c142.675,94.975) 142.475,94.975 142.475,94.5
  pour cut-out: 143.575,87.525 146.325,87.525 cw(c146.325,87.075) 146.775,87.075 146.775,79.95 144.7,79.95 144.7,84.975 ccw(c143.575,84.975) 143.575,86.1
  pour cut-out: 157.75,105.3 157.75,99.15 ccw(c159.575,99.15) 159.575,97.325 160,97.325 cw(c160,96.525) 160.8,96.525 160.8,95.475 cw(c160.75,95.475) 160.75,95.425 159.675,95.425 159.675,94.475 161.3,94.475 ccw(c161.3,95.975) 162.8,95.975 162.8,97.025 ccw(c160.775,97.025) 160.775,99.05 cw(c160.775,99.975) 159.85,99.975 159.85,105.3
  pour cut-out: 157.275,94.125 157.275,93.225 156.6,93.225 ccw(c156.6,93) 156.375,93 156.375,91.75 ccw(c157.9,91.75) 157.9,90.225 159.175,90.225 159.175,87.75 157.065,87.75 cw(c157.065,90.29) 154.525,90.29 154.525,93.025 cw(c155.625,93.025) 155.625,94.125
  pour cut-out: 160.125,90.225 162.273,90.225 cw(c162.273,87.685) 164.069,89.481 165.081,88.469 cw(c163.285,86.673) 165.825,86.673 165.825,79.925 163.65,79.925 163.65,85.95 ccw(c161.9,85.95) 161.9,87.7 160.125,87.7
  pour cut-out: 105.575,87.525 108.325,87.525 cw(c108.325,87.075) 108.775,87.075 108.775,79.95 106.7,79.95 106.7,84.975 ccw(c105.575,84.975) 105.575,86.1
  pour cut-out: 103.275,94.5 103.275,95.875 cw(c104.775,95.875) 104.775,97.375 117.076,97.375 cw(c117.076,96.351) 117.8,97.075 ccw(c118.524,97.799) 118.524,96.775 119.275,96.775 119.275,95.125 118.175,95.125 118.175,95.05 cw(c117.95,95.05) 117.95,94.825 117.562,94.825 cw(c117.562,95.337) 117.2,94.975 ccw(c116.717,94.492) 116.717,95.175 104.675,95.175 ccw(c104.675,94.975) 104.475,94.975 104.475,94.5
  pour cut-out: 102.625,92.075 103.575,92.075 103.575,90.975 104.3,90.975 104.3,89.475 ccw(c104.975,89.475) 104.975,88.8 cw(c104.975,88.575) 105.2,88.575 105.2,87.575 cw(c104.825,87.575) 104.825,87.2 104.025,87.2 cw(c104.025,89.025) 102.2,89.025 102.2,90.107 cw(c102.968,90.107) 102.425,90.65 102.448,90.673 ccw(c102.021,91.1) 102.625,91.1
  region net VCC3P3: 99.725,31.25 99.55,31.425 99.05,31.425 98.7,31.075 98.7,30.05 99.125,29.625 99.725,29.625
  region net VCC3P3_GNSS: 142.35,49.525 141.35,49.525 141.25,49.625 141.25,51.6 141.725,51.6 142.45,50.875 142.45,49.625
  region net VCC3P3: 65.275,24.475 66.1,25.3 66.525,25.3 66.975,24.85 66.975,24.2 65.275,24.2
  region net VCC5P0_RFA: 121.915,93.825 122.765,93.825 123.09,93.5 123.09,90.965 122.95,90.825 122.05,90.825 121.915,90.96 121.915,91.15
  region net VCC5P0_TXA_PA: 121.05,85.4 122.25,85.4 122.475,85.175 122.475,84.1 122.25,83.875 121.05,83.875
  region net VCC_BARREL: 56.425,99.45 65.1,99.45 66.05,100.4 71.4,100.4 72.3,99.5 72.3,97.1 69.2,94 54.6,94 54.4,94.2 54.4,97.425
  region net VCC3P3: 33.625,27.175 31.825,28.975 31.825,33.025 33.275,34.475 40.2,34.475 41.15,33.525 41.15,27.175
  region net VCC3P3: 56.8,40.775
  region net VCC3P3: 56.8,40.775 57.575,40.775 57.875,41.075 57.875,43.85 58.125,44.1 58.95,44.1 59.2,43.85 59.2,41.125 58.45,40.375 56.8,40.375 56.75,40.425 56.75,40.725
  region net VCC3P3: 57.725,42.7 57.925,42.9 57.925,40.7 57.825,40.6 57.725,40.7
  region net VCC12P0_POE: 63.625,87.6 71.075,87.6 72.025,88.55 72.025,93.375 71.6,93.8 54.8,93.8 54.3,93.3 54.3,89.425 55.675,88.05 63.175,88.05
  region net NetC257_2: 60.7,84.725 59.1,83.125 59.1,77.4 61.15,75.35 69.35,75.35 70.775,76.775 70.775,84.525 69.1,86.2 66.35,86.2 66.15,86.4 60.825,86.4 60.7,86.275
  region net NetD5_1: 42.2,82.1 50.1,82.1 53.5,85.5 57.15,85.5 57.4,85.25 57.4,76.75 56.525,75.875 54.475,75.875 52.3,73.7 42.45,73.7 42.2,73.95
  pour cut-out: 16.55,92.25 32.425,92.25 37.575,87.1 37.575,64.925 35.95,63.3 22.07,63.3 20.524,64.845 20.524,68.859 18.678,70.706 13.719,70.706 13.125,71.3 13.125,87.675 14.925,89.475 14.925,90.625
  region net NetF9_2: 50.3,89.475 49.425,90.35 49.425,96.65 50.45,97.675 52.325,97.675 53.475,96.525 53.475,90.375 52.575,89.475
  pour cut-out: 138.75,105.275 138.75,94.5 140.275,94.5 140.275,95.6 140.85,95.6 140.85,105.275
  pour cut-out: 100.75,105.275 100.75,94.5 102.275,94.5 102.275,95.6 102.85,95.6 102.85,105.275
  region net VCC5P0: 35.75,48.05 36.5,47.3 38.225,47.3 41,44.525 45.625,44.525 47.25,42.9 47.25,40.8 49.675,38.375 54.725,38.375 54.9,38.55 54.9,40.4 54.55,40.75 53.375,40.75 51.825,42.3 51.825,45.35 49.325,47.85 45.875,47.85 42.825,50.9 36.875,50.9 35.75,49.775
  region net SCAP_TEMP: 26.325,48.15 25.475,47.3 25.475,46.475 24.7,45.7 22.275,45.7 21.8,46.175 21.8,48.775 22.225,49.2 22.225,56.3 23.3,57.375 25.775,57.375 26.325,56.825
  region net VCC_SCAP: 29.475,48.35 30.525,47.3 30.525,46.475 31.3,45.7 33.725,45.7 34.2,46.175 34.2,48.775 33.725,49.25 33.725,56.35 32.7,57.375 30.225,57.375 29.475,56.625
  region net VCC5P0_TXB_PA: 159.05,85.4 160.25,85.4 160.475,85.175 160.475,84.1 160.25,83.875 159.05,83.875
  region net GNDE2: 22,64.05 21.25,64.8 21.25,73.775 22.8,75.325 22.8,75.85 22.65,76 15.925,76 15.35,76.575 15.35,78.575 16.1,79.325 25.325,79.325 27.55,77.1 27.55,64.375 27.225,64.05
  region net NetD4_A: 19.375,84.275 19.525,84.125 19.525,79.875 19.375,79.725 15.575,79.725 15.3,80 15.3,84.05 15.525,84.275
  region: 29.225,66.75
  region net POE_IN+: 29.75,64.35 35.95,64.35 36.45,64.85 36.45,86.075 31.125,91.4 16.525,91.4 15.35,90.225 15.35,85.95 16.275,85.025 20.3,85.025 28.3,77.025 28.3,65.8
  region net VCC5P0_RXB_LNA: 146.675,93.325 146.675,94.3 146.75,94.375 147.44,94.375 147.44,93.325
  region net VCC5P0_RXB_LNA: 148.205,93.325 148.205,94.3 148.13,94.375 147.44,94.375 147.44,93.325
  region net VCC5P0_RFA: 101.975,91.85 101.975,91 101.65,90.675 98.875,90.675 98.725,90.825 98.725,91.725 98.85,91.85 99.3,91.85
  region net VCC5P0_RXA_LNA: 108.675,93.325 108.675,94.3 108.75,94.375 109.44,94.375 109.44,93.325
  region net VCC5P0_RXA_LNA: 110.205,93.325 110.205,94.3 110.13,94.375 109.44,94.375 109.44,93.325
  region net VCC5P0_RFB: 139.975,91.85 139.975,91 139.65,90.675 136.875,90.675 136.725,90.825 136.725,91.725 136.85,91.85 137.3,91.85
  region net VCC5P0_RFB: 159.915,93.825 160.765,93.825 161.09,93.5 161.09,90.965 160.95,90.825 160.05,90.825 159.915,90.96 159.915,91.15
  region net NetC291_2: 46.25,59.875 46.075,60.05 46.075,62.6 46.3,62.825 46.3,63.05 46.55,63.05 46.55,62.825 46.975,62.4 46.975,60.4 47.175,60.2 49.025,60.2 51.275,57.95 51.275,48.2 46.25,48.2
  region net NetC297_1: 42.125,59.325 43.8,59.325 44.3,59.825 44.55,59.825 44.55,58.75 43.325,57.525 42.125,57.525
  region net GND: 46.8,62.812 46.8,64.037 47.025,64.262 48.35,64.262 48.9,63.712 48.9,60.887 48.45,60.437 47.175,60.437 47.175,62.762 47.125,62.812
  region net VCC_INT: 41.225,63.937 41.225,61.915 44.175,61.915 44.175,62.7 44.3,62.825 45.575,62.825 45.575,64.4 45.3,64.675 41.963,64.675
  region net VCC5P0: 35.75,48.05 34.075,49.725 34.075,53.925 35.5,55.35 42.325,55.35 43.275,54.4 43.275,48.05
  region net GND: 44.675,41.937 44.675,43.162 44.9,43.387 46.225,43.387 46.775,42.837 46.775,40.012 46.325,39.562 45.05,39.562 45.05,41.887 45,41.937
  region net NetC288_1: 40,38.45 41.675,38.45 42.175,38.95 42.425,38.95 42.425,37.875 41.2,36.65 40,36.65
  region net NetC279_2: 44.125,39 43.95,39.175 43.95,41.725 44.175,41.95 44.175,42.175 44.425,42.175 44.425,41.95 44.85,41.525 44.85,39.525 45.05,39.325 46.9,39.325 49.15,37.075 49.15,27.325 44.125,27.325
  region net VCC_INT: 39.1,43.062 39.1,41.04 42.05,41.04 42.05,41.825 42.175,41.95 43.45,41.95 43.45,43.525 43.175,43.8 39.838,43.8
L2:
  pour cut-out: 18.525,97.285 18.525,99.36 20.075,99.36 20.075,97.285
  pour cut-out: 163.7,81.725 165.775,81.725 165.775,80.175 163.7,80.175
  pour cut-out: 144.7,81.725 146.775,81.725 146.775,80.175 144.7,80.175
  pour cut-out: 125.7,81.725 127.775,81.725 127.775,80.175 125.7,80.175
  pour cut-out: 106.7,81.725 108.775,81.725 108.775,80.175 106.7,80.175
L3:
  region net VCC3P3: 98.65,32.625 98.65,40.6 99.875,41.825 100.575,41.825 100.975,41.425 100.975,35.725 102.658,34.042 100.923,32.625
  region net VCC3P3: 99.75,30.375 100.825,31.45 101.475,31.45 103.725,29.2 106.475,29.2 109.075,26.6 111.425,26.6 111.7,26.875 111.7,28.075 105.7,34.075 100.1,34.075 98.65,32.625 98.65,30.625 98.9,30.375
  region net ETH_VC2: 95,94.4 94.8,94.2 93.525,94.2 93.325,94.4 93.325,96.11 93.725,96.51 94.55,96.51 95,96.06
  region net ETH_VC3: 74.75,94.925 74.975,94.7 76.15,94.7 76.45,95 76.425,95.025 76.425,96.425 76.025,96.825 75.2,96.825 74.75,96.375
  region net VCC5P0_RXA_LNA: 111.975,94.375 112.55,93.8 111.975,93.225 109.325,93.225 108.775,93.775 108.775,94.175 108.975,94.375
  region net VCC5P0_RXA_LNA: 111.5,92.05 110.25,93.3 110.25,93.575 110.475,93.8 112.55,93.8 112.55,92.9 111.7,92.05
  region net VCC5P0_RXB_LNA: 149.5,92.05 148.25,93.3 148.25,93.575 148.475,93.8 150.55,93.8 150.55,92.9 149.7,92.05
  region net VCC5P0_RXB_LNA: 149.975,94.375 150.55,93.8 149.975,93.225 147.325,93.225 146.775,93.775 146.775,94.175 146.975,94.375
  text "A" at 1.45,7.65 h0.7
  text "V" at 2.45,7.65 h0.7
  text "D" at 3.55,7.65 h0.7
  text "R" at 4.1,7.65 h0.7
  text "L" at 1.925,7.075 h0.7
L4:
  region net VCC3P3: 100.475,41 100.775,41.3 100.775,41.775 100.4,42.15 100.1,42.15 99.725,41.775 99.725,41.3 100.025,41
  region net USB_VBUS_IN: 55.5,102.25 55.9,101.85 61.625,101.85 63.2,100.275 63.2,98.05 62.95,97.8 61.425,97.8 59.375,99.85 56.025,99.85 55.5,100.375
  region net USB_VBUS_IN: 52.575,102.875 52.35,102.65 52.35,101.5 51.975,101.125 52.775,100.325 55.35,100.325 55.85,100.825 55.85,101.275 55.5,101.625 55.5,102.675 55.275,102.9 54.975,102.9 54.75,102.675 54.75,102.35 54.4,102 53.4,102 53.1,102.3 53.1,102.65 52.875,102.875
  region net GNDE1: 39.175,79.025 39.725,78.475 39.725,76.425 39.425,76.125 38.575,76.125 38.125,76.575 38.125,78.775 38.375,79.025

## Text inside footprints (layer, text, board x,y; h text height)
J30: ASM TOP "PCB edge" at 3.4,28.575 h0.55 r90; ASM TOP "10" at 13.51,34.475 h0.55 r90; ASM TOP "11" at 13.51,31.975 h0.55 r90; ASM TOP "12" at 13.51,29.975 h0.55 r90; ASM TOP "13" at 13.51,27.475 h0.55 r90; ASM TOP "18" at 15.01,34.975 h0.55 r90; ASM TOP "17" at 15.01,32.975 h0.55 r90; ASM TOP "16" at 15.01,30.975 h0.55 r90; ASM TOP "15" at 15.01,28.975 h0.55 r90; ASM TOP "14" at 15.01,26.975 h0.55 r90; ASM TOP "5" at 11.81,26.675 h0.55 r90; ASM TOP "6" at 11.81,28.675 h0.55 r90; ASM TOP "7" at 11.81,30.675 h0.55 r90; ASM TOP "8" at 11.81,32.675 h0.55 r90; ASM TOP "9" at 11.81,34.675 h0.55 r90; ASM TOP "4" at 10.31,27.175 h0.55 r90; ASM TOP "3" at 10.31,29.675 h0.55 r90; ASM TOP "2" at 10.31,31.675 h0.55 r90; ASM TOP "1" at 10.31,34.175 h0.55 r90
J31: Mechanical13 "PCB EDGE" at -0.95,45.648 h1 r270
J32: Mechanical13 "PCB EDGE" at -0.95,61.848 h1 r270
J33: ASM TOP "in" at 150.825,35.1 h0.55 r90
J34: ASM TOP "Connector out" at 22.85,108.55 h0.55
J35: ASM TOP "in" at 111.275,9.15 h0.55
J37: ASM TOP "Connector out" at 37.85,108.55 h0.55
J44: ASM TOP "in" at 132.975,73.575 h0.55 r90
J45: ASM TOP "in" at 164.24,80.925 h0.55
J46: ASM TOP "in" at 126.24,80.925 h0.55
J47: ASM TOP "Connector out" at 155.45,108.55 h0.55
J48: ASM TOP "Connector out" at 117.45,108.55 h0.55
J49: ASM TOP "in" at 145.24,80.925 h0.55
J50: ASM TOP "in" at 107.24,80.925 h0.55
J51: ASM TOP "Connector out" at 136.45,108.55 h0.55
J52: ASM TOP "Connector out" at 98.45,108.55 h0.55
J55: ASM TOP "KEY" at 39.425,69 h0.55; ASM TOP "1" at 41.225,66.525 h0.55
J56: ASM TOP "1" at 34.225,94.875 h0.55; ASM TOP "KEY" at 37.175,95.525 h0.55 r90
J57: ASM TOP "1" at 31.525,56.5 h0.55 r90; TopOverlay "1" at 31.6,56.575 h0.55 r90
L8: ASM TOP "No polarity" at 65.675,85.4 h0.3 r90
L9: ASM BOT "No polarity" at 45.375,91.875 h0.3 r270
L10: ASM TOP "no polarity" at 44.1,26.925 h0.55 r90
L11: ASM TOP "no polarity" at 45.85,48 h0.55 r90